# Altium PCB PCB1_lsit.PcbDoc (part 1 of 2) (continued)
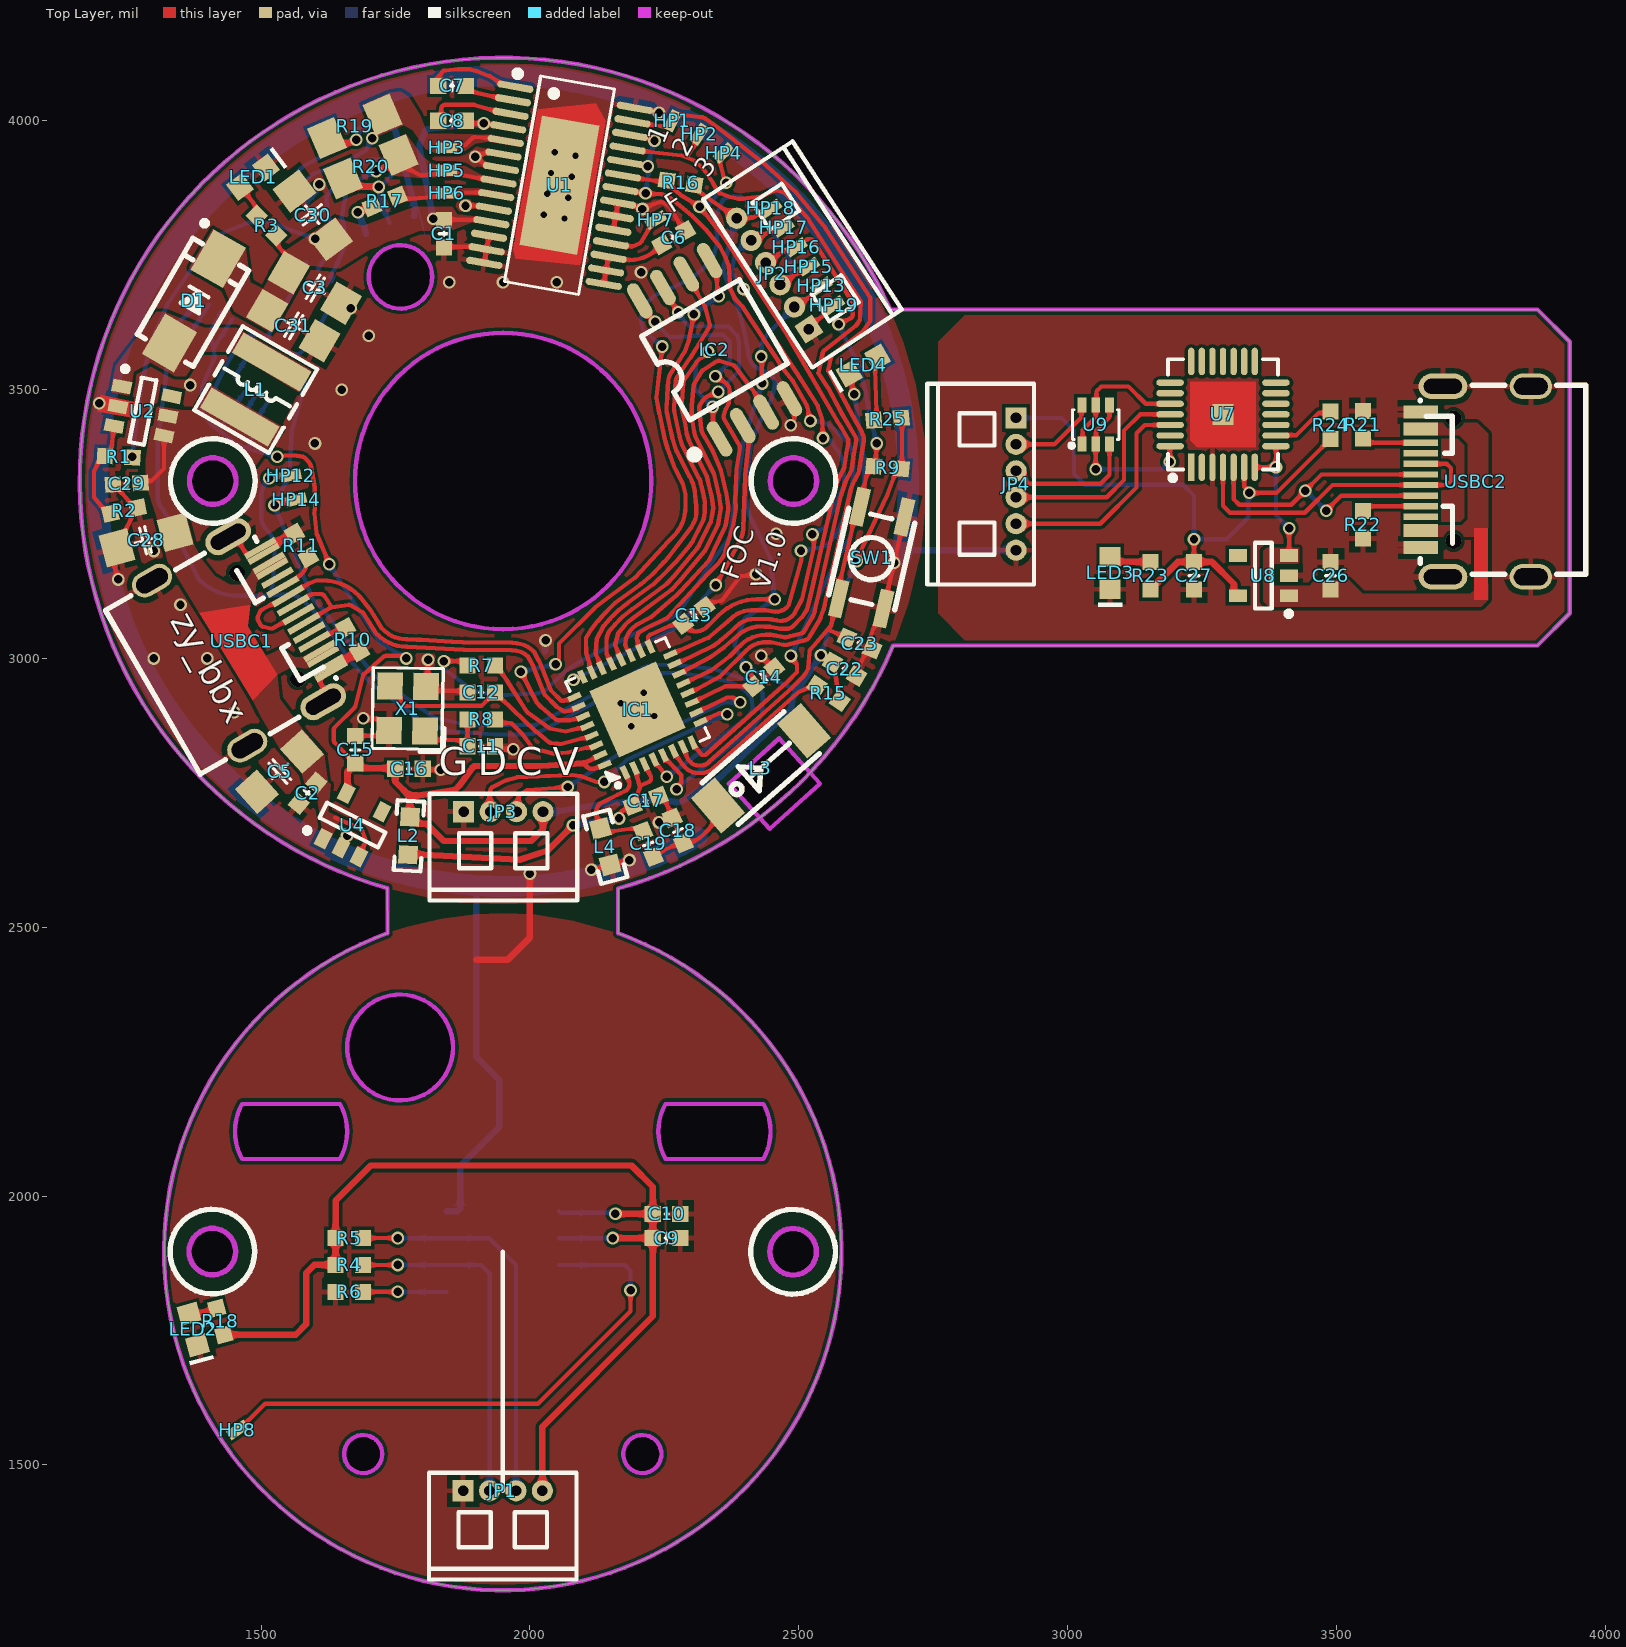
[diagram p0: Top Layer view]
## Footprints (in the part's own frame and the unit in brackets; to place one, negate y for a bottom-side part, rotate by r counter-clockwise, add the part's x,y. Pads: shape width x height; smd on the part's side, far side on the other; paste and mask are expansions set on the pad) (continued)
  silkscreen extent -2.03,-1.75 1.91,1.65, body extent -1.6,-1.25 1.6,1.25, height 0.7
"QFN28 5x5_M" [mm] "28脚，长x宽x高：5x5x0.8mm，脚距：0.5mm"
  rect 0.3x1.3 smd: 1(-1.5,-2.5)
  oval 0.3x1.3 smd: 2(-1,-2.5) 3(-0.5,-2.5) 4(0,-2.5) 5(0.5,-2.5) 6(1,-2.5) 7(1.5,-2.5) 15(1.5,2.5) 16(1,2.5) 17(0.5,2.5) 18(0,2.5) 19(-0.5,2.5) 20(-1,2.5) 21(-1.5,2.5)
  oval 1.3x0.3 smd: 8(2.5,-1.5) 9(2.5,-1) 10(2.5,-0.5) 11(2.5,0) 12(2.5,0.5) 13(2.5,1) 14(2.5,1.5) 22(-2.5,1.5) 23(-2.5,1) 24(-2.5,0.5) 25(-2.5,0) 26(-2.5,-0.5) 27(-2.5,-1) 28(-2.5,-1.5)
  rect 1x1 smd: 29(0,0)
  Top Layer region: -1.55,1.55 1.55,1.55 1.55,-1.55 -1.225,-1.55 -1.55,-1.225
  silkscreen extent -2.6,-3.12 2.6,2.6, body extent -2.51,-2.51 2.51,2.51
"R 0603_L" [mil] "1/10W贴片电阻                 淘宝ID:黄晶宝石"
  rect 30x30 smd: 1(-25.59,0) 2(25.59,0)
  body extent -31,-16 32,16, height 16
"R 1206_L" [mil] "1/4W贴片电阻             淘宝ID:黄晶宝石"
  rect 55x62 smd: 1(-55.12,0) 2(57.09,0)
  body extent -63,-31 63,32, height 22
SMA [mm] "4.5x2.6*2.2mm（长宽高，不包括引脚）"
  rect 2.2x1.75 smd: 1(-2.3,0) 2(2.3,0)
  silkscreen extent -2.7,-1.52 3.56,1.52, body extent -2.53,-1.3 2.58,1.3, height 2.15
SOIC-8 [mm] "封装库来自淘宝卖家 ID：黄晶宝石"
  oval 2.2x0.6 smd: 1(-2.654,1.905) 2(-2.654,0.635) 3(-2.654,-0.635) 4(-2.654,-1.905) 5(2.654,-1.905) 6(2.654,-0.635) 7(2.654,0.635) 8(2.654,1.905)
  silkscreen extent -2.06,-2.5 1.27,3.2, body extent -3,-2.5 3,2.5, height 1.9
SOIC-8W [mil] "25Q128 SPI_FLASH  SOIC8，封装库来自淘宝卖家 ID：黄晶宝石"
  oval 72x24 smd: 1(-148.35,75) 2(-148.35,25) 3(-148.35,-25) 4(-148.35,-75) 5(148.35,-75) 6(148.35,-25) 7(148.35,25) 8(148.35,75)
  silkscreen extent -155,-105 90,135, body extent -155,-104 155,104, height 75
SOT23-5L [mm] "SOT23, 5-Leads, Body 2.9x1.6mm, Pitch 0.95mm, IPC High Density封装库来自淘宝卖家 ID：黄晶宝石"
  rect 0.85x0.6 smd: 1(-1.2,0.95) 2(-1.2,0) 3(-1.2,-0.95) 4(1.2,-0.95) 5(1.2,0.95)
  silkscreen extent -1.32,-1.55 0.4,1.92, body extent -1.4,-1.5 1.4,1.5, height 1.15
SOT23-6L [mm] "SOT-23, 6-Leads, Body 2.90x1.60mm, Pitch 0.95mm, IPC High Density封装库来自淘宝卖家 ID：黄晶宝石"
  rect 0.9x0.6 smd: 1(-1.2,0.95) 2(-1.2,0) 3(-1.2,-0.95) 4(1.2,-0.95) 5(1.2,0) 6(1.2,0.95)
  silkscreen extent -1.32,-1.55 0.35,1.92, body extent -1.4,-1.5 1.4,1.5, height 1.15
SOT-363 [mm]
  rect 0.7x0.42 smd: 1(-0.895,0.695) 2(-0.895,0.045) 3(-0.895,-0.605) 4(0.945,-0.605) 5(0.945,0.045) 6(0.945,0.695)
  silkscreen extent -1.07,-1.05 0.72,1.29, body extent -0.68,-1.05 0.72,1.15, height 0.5
TSSOP8_N [mm] "SSOP-8_L3.0-W4.4-H1.0-LS6.4-P0.65  封装库来自淘宝卖家 ID：黄晶宝石"
  rect 1.4x0.35 smd: 1(-3.2,0.975)
  oval 1.4x0.35 smd: 2(-3.2,0.325) 3(-3.2,-0.325) 4(-3.2,-0.975) 5(3.2,-0.975) 6(3.2,-0.325) 7(3.2,0.325) 8(3.2,0.975)
  silkscreen extent -3.43,-1.27 1.78,2.03, body extent -3.18,-1.57 3.1,1.43, height 1.09
"TSW SMD 3.2*4.2*2.5" [mm]
  rect 1.8x0.65 smd: 1(-2.159,1.083) 2(2.286,1.083) 3(-2.159,-1.083) 4(2.286,-1.083)
  silkscreen extent -2.09,-1.62 2.11,1.58, body extent -2.46,-1.6 2.54,1.6, height 2.5
USB-C-SMD_TYPE-C-USB-5 [mm]
  oval 1.2x2.3 hole 0.7 slot 1.8 at 90 deg: 0(-4.5,1.675) 0(4.5,1.675)
  oval 1.2x2 hole 0.8 slot 1.6 at 90 deg: 0(-4.5,-2.475) 0(4.5,-2.475)
  rect 0.3x1.65 smd: A1(-3.263,2.725) A4(-2.462,2.725) A5(-1.162,2.725) A6(-0.162,2.725) A7(0.337,2.725) A8(-1.663,2.725) A9(2.638,2.725) A12(3.438,2.725) B1(3.138,2.725) B4(2.337,2.725) B5(1.838,2.725) B6(0.838,2.725) B7(-0.663,2.725) B8(1.337,2.725) B9(-2.162,2.725) B12(-2.963,2.725)
  round 0.75 hole 0.75 unplated: ""(-2.803,1.175) ""(2.978,1.175)
  silkscreen extent -4.38,-5.08 4.56,2.75, body extent -4.34,-5.14 4.6,2.76, height 3.25

## Part data
C1 C2 C3 C5 C6 C7 C8 C9 C10 C11 C12 C13 C14 C15 C16 C17 C18 C19 C22 C23 C24 C25 C26 C27 C28 C29 C30 C31: library part C, "贴片电容", BOM名称=无极性贴片电容, 封装库来自淘宝卖家ID：黄晶宝石=其他店铺购入均为盗版假冒封装库, 联系卖家，免费查找封装=唯一出售店铺网址https://shop463601444.taobao.com
D1: "肖特基二极管", BOM名称=肖特基二极管, 属性=40V/1A, 联系卖家，免费查找封装=唯一出售店铺网址https://shop463601444.taobao.com
HP1 HP2 HP3 HP4 HP5 HP6 HP7 HP8 HP12 HP13 HP14 HP15 HP16 HP17 HP18 HP19: "引脚测试点"
HP9 HP10 HP11: library part HP, "引脚测试点"
IC1: "ESP32-C3 QFN-32(5x5)"
JP1 JP3: library part "Header 4", "4P接插件", BOM名称=4P接插件, 联系卖家，免费技术支持=唯一出售店铺网址https://shop463601444.taobao.com
JP2 JP4: library part "Header 6", "6P接插件", BOM名称=6P接插件, 联系卖家，免费技术支持=唯一出售店铺网址https://shop463601444.taobao.com
L1: library part L-NR, "NR磁胶电感", BOM名称=NR磁胶电感, 封装库来自淘宝卖家ID：黄晶宝石=其他店铺购入均为盗版假冒封装库, 联系卖家，免费查找封装=唯一出售店铺网址https://shop463601444.taobao.com
L2 L4: library part L, "小功率贴片电感", BOM名称=小功率贴片电感, 封装库来自淘宝卖家ID：黄晶宝石=其他店铺购入均为盗版假冒封装库, 联系卖家，免费查找封装=唯一出售店铺网址https://shop463601444.taobao.com
L3: "AN2051-245 2.4G蓝牙wifi 贴片 2051"
LED1 LED2 LED3 LED4: "贴片LED", BOM名称=贴片LED, 封装库来自淘宝卖家 ID：黄晶宝石=其他店铺购入均为假冒，请立即申请退款，本店奖励2~5元现金
R1 R2 R3 R4 R5 R6 R7 R8 R9 R10 R11 R15 R16 R17 R18 R19 R20 R21 R22 R23 R24 R25: library part R, "贴片电阻", BOM名称=贴片电阻, 封装库来自淘宝卖家ID：黄晶宝石=其他店铺购入均为盗版假冒封装库, 联系卖家，免费查找封装=唯一出售店铺网址https://shop463601444.taobao.com
SW1: library part "TSW SMD-3.2x4.2", "贴片4.2*3.2轻触开关"
U1: "DRV8313 无刷直流BLDC 8V~60V三路半H桥驱动器IC"
U2: "DCDC 升压1.2MHZ 2A / 97%"
U3: "AS5600 12bit磁角度位置传感器"
U4 U8: "Vout:3.3V;Vin:1.45~5.5V,500ma;低压降"
U5 U6: "具有增强的 PWM 抑制能力的 -4V 至 80V、双向、超精密电流感应放大器"
U7: "USB转TTL"
U9: "2NPN预偏式(双)"
USBC1 USBC2: library part "USB2.0 Type-C 16Pin母座", "USB2.0 Type-C 母座 16Pin", 联系卖家，免费技术支持=唯一出售店铺网址https://shop463601444.taobao.com
X1: library part XTAL-4P, "4脚无源晶振", BOM名称=4脚无源晶振, 联系卖家，免费查找封装=唯一出售店铺网址https://shop463601444.taobao.com

## Via types
v1: diameter 23.62, hole 15.75, Top Layer to Bottom Layer, tented both sides, 106 vias
v2: diameter 23.62, hole 11.81, Top Layer to Bottom Layer, 8 vias
v3: diameter 24, hole 12, Top Layer to Bottom Layer, tented both sides, 3 vias
v4: diameter 24, hole 12, Top Layer to Bottom Layer, tented bottom, 1 vias

## Nets (pads, with @x,y where several pads share a name; then routed paths per layer and width w, separated by ;. In a path a pad name is that pad's centre, name@x,y a point inside that pad or via, vN(x,y) a via of type N, cw(c..) or ccw(c..) an arc to the next point about the centre after c; other vN are vias at no path point)
3.3: C9.2 C10.2 C13.2 C14.2 C15.2 C16.2 C22.2 C24.2 C25.1 C27.1 HP18.1 IC1.11 IC1.17 IC1.31 IC1.32 JP1.4 JP2.6 JP3.4 JP4.1 L2.1 R4.1 R5.1 R9.2 R15.1 R16.2 R18.2 R23.2 R24.1 R25.1 U3.1 U3.2 U4.5 U5.5 U5.6 U6.5 U6.6 U7.6 U8.5 | length 8509.4
  Top Layer w8: v1(1530,3375) 1544.02,3377.34 1562.46,3377.34 cw(c1562.46,3337.03) 1570.3,3376.57 cw(c1570.3,3358.13) 1582.35,3372.09 cw(c1570.3,3358.13) 1583.34,3371.17 1585.96,3368.55 cw(c1564.19,3346.78) 1592.27,3359.39 1599.66,3318.19 1600.61,3287.53 1599.07,3270.76 ccw(c1607.04,3270.06) 1599.08,3269.25 ; 1599.09,3269.2 1602.88,3234.11 ccw(c1610.83,3234.99) 1603.42,3231.98 ; 1603.43,3231.95 v1(1626.86,3175.1) ; 1637.27,2842.68 cw(c1643,2848.27) 1635,2848.27 1635,2866.69 cw(c1643,2866.69) 1637.33,2872.33 1673.43,2908.43 ccw(c1667.78,2914.09) 1675.54,2912.15 1689.39,2967.57 ; 1637.29,2842.67 1664,2815.41 C15.2@1675,2804.41 ; 1689.4,2967.59 cw(c1697.15,2965.61) 1691.88,2971.63 1727.74,3003.02 cw(c1733.01,2997) 1733.01,3005 1758.11,3005 cw(c1758.11,2997) 1761.68,3004.16 v1(1770,3000) ; IC1.31@2130.91,2820.37 2123.31,2815.81 2099.55,2805.3 2107.68,2797.29 ccw(c2113.28,2803) 2113.28,2795 2118.3,2795 ccw(c2118.3,2803) 2121.55,2795.69 2130.5,2799.67 IC1.32@2138.92,2802.39 ; IC1.17@2223.27,3022.13 2221.07,3030.78 2219.68,3036.25 2219.68,3040.56 2223.07,3043.95 2271.53,3065.66 2274.54,3065.66 2275.77,3065.25 C13.2@2282.28,3063.08 ; C13.2@2284.84,3064.25 2293.49,3055.6 ccw(c2307,3069.11) 2307,3050 ccw(c2307,3082.97) 2330.32,3059.66 2351.37,3080.71 cw(c2422.08,3010) 2422.08,3110 v1(2455,3110) ; IC1.11@2301.12,2917.7 2302.84,2918.85 2303.29,2919.15 2362.95,2948.22 C14.2@2415.69,2948.22 2415.69,2965.2 v1@2404.76,2976.13 ; R16.2@2305.27,3880.99 2314.42,3868.41 JP2.6@2384.59,3818.82 2412.81,3819.91 ccw(c2412.49,3827.91) 2416.85,3821.2 2432.99,3831.68 HP18.1@2448.16,3837.13 ; v1(2541.26,3006.22) 2553.73,2999.02 C22.2@2562.84,2992.8 2566.87,2977.77 2567.7,2972.31 2573.25,2935.96 R15.1@2576.22,2920.69 R15.1@2573.15,2909.49 ; v1(2607.74,3181.22) 2610.73,3188.42 2619.17,3208.75 2664.83,3304.64 ccw(c2657.61,3308.08) 2665.13,3305.37 2678.57,3342.77 R9.2@2690.49,3352.77 2692.05,3354.32 2692.05,3445.68 R25.1@2690.5,3447.23 ; C27.1@3235,3179.59 v1(3235,3222) ; U7.6@3328.37,3355.57 3328.37,3319.9 3338,3310.27 v1(3338,3308) 3388.6,3308 R24.1@3489,3408.41
  Top Layer w12: R18.2@1430.62,1742.28 1508.69,1742.28 1564.28,1742.28 1584,1762 1584,1817.59 1584,1857 1599,1872 R4.1@1638.41,1872 R5.1@1638.41,1922 1638.41,1991.41 1704,2057 2189,2057 2228.41,2017.59 C10.2@2228.41,1967 ; U4.5@1658.12,2749.07 1660.36,2751.31 1660.36,2789.77 C15.2@1675,2804.41 1683.6,2795.81 C16.2@1748.61,2795.81 ; C16.2@1749.41,2795 1749.41,2770.59 1776.83,2743.17 ; JP1.4@2023.19,1452 2023.19,1571.19 2228.41,1776.41 C9.2@2228.41,1922 ; JP3.4@2024.21,2715 2024.21,2682.39 2002.3,2660.48 1839.52,2660.48 1807.61,2692.39 1789.39,2692.39 L2.1@1776.83,2704.95 1776.83,2743.17 ; 2099.55,2805.3 2020.27,2800.02 cw(c2019.73,2808) 2019.73,2800 1899.12,2800 ccw(c1899.12,2792) 1892.59,2796.62 1870.38,2765.54 cw(c1863.88,2770.2) 1869.54,2764.54 1861.89,2756.89 cw(c1856.23,2762.54) 1857.34,2754.62 1776.83,2743.17 ; v1(2154,1922) C9.2@2228.41,1922 ; v1(2159,1967) C10.2@2228.41,1967 ; R23.2@3154,3128.41 3205.18,3179.59 C27.1@3235,3179.59 3268.41,3179.59 3309.08,3138.92 3309.08,3122.41 3314.89,3116.6 U8.5@3316.76,3116.6 ; C9.2@2228.41,1922 C10.2@2228.41,1967
  Bottom Layer w8: 1407.65,3434.43 cw(c1412.55,3440.76) 1406.28,3435.79 1393.83,3451.6 1390.31,3463.9 cw(c1398,3466.12) 1390,3466.12 1390,3503.33 cw(c1398,3503.33) 1390.67,3506.53 1414.18,3560.42 C24.2@1411.22,3575.69 1408.25,3590.96 1406.67,3599.09 cw(c1454.64,3599.09) 1420.71,3633 U5.6@1424.09,3636.38 ; 1407.68,3434.42 1452.52,3399.99 1474.44,3390.25 ; C24.2@1415,3580 1419.59,3590.17 1435.52,3613.79 1442.46,3624.9 U5.5@1446.48,3631.32 ; U5.6@1420.76,3638.46 U5.6@1424.78,3644.88 ; U6.6@1494.16,3496.09 1476.24,3467.42 1477.5,3458.67 ccw(c1485.42,3459.81) 1480.98,3453.15 1489.93,3447.15 1493.09,3447.88 1493.77,3448.03 ; v1(1530,3375) 1475.62,3389.83 cw(c1477.69,3397.56) 1474.47,3390.23 ; v1(1626.86,3175.1) 1720.37,3030.24 v1(1770,3000) ; U3.2@2053.86,1921.75 2053.98,1921.88 2153.88,1921.88 v1(2154,1922) ; U3.1@2053.86,1971.75 2056.23,1969.38 2156.62,1969.38 v1(2159,1967) ; JP2.6@2384.59,3818.82 2367.87,3758.78 ccw(c2381.35,3755.03) 2367.85,3758.72 2360.66,3732.4 ccw(c2368.37,3730.29) 2360.42,3729.44 2360.98,3724.19 2361.93,3715.22 ccw(c2375.85,3716.7) 2362.88,3711.44 2388.81,3647.53 2401.55,3594.41 2405.37,3571.24 ; 2399.04,3072.61 2381.38,3028.45 ccw(c2388.8,3025.46) 2381.7,3021.77 v1(2401.77,2983.67) 2486.82,2945.36 2496.82,2939.82 ; 2399.05,3072.64 cw(c2406.47,3069.63) 2402.18,3076.39 v1(2455,3110) 2446.93,3187.06 2407.43,3268.12 ; 2406.67,3563.35 2405.37,3571.24 ; 2407.42,3268.14 cw(c2414.62,3271.62) 2406.79,3269.98 2401.26,3295.99 2403.13,3335.1 2410.38,3398.75 cw(c2418.33,3397.84) 2411,3401.03 2429.91,3444.8 cw(c2437.26,3441.62) 2430.1,3445.19 2444.88,3474.77 ; 2444.89,3474.78 ccw(c2437.73,3478.34) 2445.1,3475.24 2451.92,3491.43 2455.97,3513.31 2453.21,3519.01 2450.86,3522.9 ccw(c2432.2,3511.59) 2441.54,3531.31 2440.15,3531.96 2431.29,3536.16 2422.38,3540.61 2418.26,3543.37 cw(c2430.38,3561.5) 2410.25,3553.1 2406.07,3563.1 2405.66,3564.08 2405.37,3571.24 ; v1(2541.26,3006.22) 2569.88,3094.62 ; 2569.88,3094.64 cw(c2577.49,3092.16) 2570.17,3095.39 v1(2607.74,3181.22) ; JP4.1@2904,3447.43 2988.57,3447.43 3012,3424 3012,3343 3032,3323 3215,3323 3235,3303 v1(3235,3222) 3296,3222 3335.66,3261.66 3335.66,3305.66 v1(3338,3308) ; 1474.47,3390.23 1474.64,3390.49 1482.23,3401.73 C25.1@1481.22,3415.69 1481,3429.1 1493.77,3448.03 ; 1493.77,3448.03 1497.68,3453.83 U6.5@1504.84,3465.29 ; U6.5@1504.84,3465.29 U6.5@1515.79,3482.82 U6.5@1504.84,3465.29
  Bottom Layer w12: JP3.4@2024.21,2715 2024.43,2714.84 2027.58,2712.56 2031.47,2712.56 2032.42,2712.56 2144.9,2730.61 2219.81,2736.38 2234.69,2735.03 ; 2234.72,2735.03 2235.03,2735 2241.29,2734.61 2261.22,2734.61 cw(c2261.17,2722.61) 2265,2733.98 ccw(c2272.7,2756.52) 2271.22,2732.75 ccw(c2272.7,2756.52) 2272.7,2732.71 ccw(c2272.7,2756.52) 2288,2738.27 cw(c2295.68,2729.05) 2289.45,2739.3 2313.47,2753.97 ; 2313.5,2753.99 2353.95,2779.34 2355.89,2780.86 2482.23,2902.33 2485.71,2908.78 2489.21,2927.58 2500.69,2945.6 v1(2541.26,3006.22)
+5: C2.2 C5.1 C26.2 C28.2 C29.2 L1.2 U2.4 U2.5 U4.1 U4.3 U7.7 U7.8 U8.1 U8.3 USBC1.A4 USBC1.A9 USBC1.B4 USBC1.B9 USBC2.A4 USBC2.A9 USBC2.B4 USBC2.B9 | length 477.7
  Top Layer w8: C29.2@1275.55,3326.34 1279.22,3330 1296,3330 1319.24,3353.24 U2.4@1319.24,3414.27 ; 1637.9,2704.4 1684.52,2682.48 cw(c1681.11,2675.24) 1688.64,2677.95 ; U4.3@1681.88,2630.93 1686.31,2642.95 1693.44,2656.94 ccw(c1686.31,2660.57) 1693.85,2663.24 1688.65,2677.92 ; U7.7@3348.06,3355.57 v1(3387.43,3355.57) U7.8@3387.43,3394.94 ; U8.3@3411.24,3191.4 3412,3192.16 v1(3412,3242)
  Bottom Layer w8: v1(3387.43,3355.57) 3387.43,3266.57 v1(3412,3242)
AS_SCL: JP1.3 R5.2 U3.7 | length 725.1
  Top Layer w8: R5.2@1689.59,1922 v1(1754,1922)
  Bottom Layer w8: v1(1754,1922) 1754.12,1921.88 1844.76,1921.88 U3.7@1844.88,1921.75 1924.25,1921.75 1973.97,1872.03 JP1.3@1973.97,1452
AS_SDA: JP1.2 R4.2 U3.6 | length 645.4
  Top Layer w8: R4.2@1689.59,1872 v1(1754,1872)
  Bottom Layer w8: v1(1754,1872) U3.6@1844.63,1872 ; U3.6@1844.88,1871.75 1909.25,1871.75 1925.16,1855.84 JP1.2@1925.16,1452.39
CP_IO: JP4.3 U9.3 | length 247.7
  Top Layer w8: JP4.3@2904,3349 2928,3325 3061,3325 3077.81,3341.81 U9.3@3077.81,3398.77
CP_RESET: JP4.2 U9.6 | length 165.5
  Top Layer w8: JP4.2@2904,3398.21 2975.21,3398.21 3025.42,3448.42 3025.42,3469.99 U9.6@3026.63,3471.2
CP_RX: JP4.4 U7.25 | length 404.3
  Top Layer w8: JP4.4@2904,3299.79 3072.79,3299.79 3105,3332 3105,3424 3135,3454 U7.25@3190.57,3454
CP_TX: JP4.5 U7.26 | length 421.8
  Top Layer w8: JP4.5@2904,3250.57 3060.57,3250.57 3128,3318 3128,3419 3143.31,3434.31 U7.26@3190.57,3434.31
DTR: U7.28 U9.2 U9.4 | length 302.9
  Top Layer w8: v1(3052,3352) 3052.11,3352.11 3052.11,3398.65 3052.86,3399.4 3052.86,3423.86 3077.81,3448.81 U9.4@3077.81,3471.2 ; v1(3190,3366) 3190,3394.37 U7.28@3190.57,3394.94
  Bottom Layer w8: v1(3052,3352) 3176,3352 v1(3190,3366)
EN: IC1.16 U1.22 U1.24 U1.26 | length 1481.5
  Top Layer w8: U1.22@2168.33,3873 2195.24,3868.26 v1(2215,3865) 2245.18,3863.13 cw(c2243.82,3841.17) 2256.02,3859.48 2266.21,3852.69 cw(c2254.01,3834.38) 2268.06,3851.3 2301.2,3823.77 cw(c2294.81,3816.08) 2301.92,3823.12 2327.38,3797.43 ; U1.24@2177.22,3923.42 2204.13,3918.67 v1(2219.06,3915.15) ; U1.26@2186.1,3973.82 2213.02,3969.07 2214.07,3968.02 2222.36,3968.02 2227.36,3963.01 v1(2231.59,3963.01) ; IC1.16@2261.08,3007.62 2269.31,3010.75 2332.3,3038.8 2335.72,3041.7 2373.64,3073.85 cw(c2411.52,3035.98) 2411.52,3089.54 2437.3,3089.54 2437.84,3089.46 cw(c2436.72,3081.54) 2437.92,3089.45 2456.76,3086.71 ccw(c2456.76,3116.81) 2467.02,3088.51 ccw(c2456.76,3116.81) 2473.24,3091.62 ccw(c2456.76,3116.81) 2478.04,3095.52 2480.95,3098.44 2504.71,3183.95 ; 2327.41,3797.4 cw(c2321.7,3791.8) 2327.88,3796.88 2352.97,3766.38 2364,3745.46 2369.53,3731.22 2369.62,3730.04 2372.95,3686.28 2373.54,3684.98 2380.02,3670.82 2380.93,3669.86 2394.51,3655.51 cw(c2388.7,3650.01) 2395.37,3654.44 ; 2395.39,3654.41 2474.28,3534.43 2487.67,3517.57 cw(c2470.44,3503.89) 2489.49,3514.89 2513.49,3473.32 cw(c2494.44,3462.32) 2515.92,3467.1 v1(2521.57,3441.7) ; v1(2504.08,3200.21) 2504.98,3186.62 cw(c2497,3186.09) 2504.72,3183.98
  Bottom Layer w8: v1(2215,3865) 2222.45,3914.64 v1@2219.66,3917.43 ; v1(2219.06,3915.15) v1@2219.66,3917.43 ; v1(2231.59,3963.01) 2230.09,3957.28 v1@2219.66,3917.43 ; v1(2504.08,3200.21) 2529.96,3204.74 ccw(c2529.96,3242.63) 2542.84,3206.99 ccw(c2529.96,3242.63) 2556.76,3215.84 2567.57,3226.65 2584.68,3264.29 ccw(c2577.39,3267.6) 2585.17,3265.73 2597.62,3317.56 ccw(c2576.22,3322.7) 2597.81,3318.45 2601.22,3335.78 2601.22,3371.25 ccw(c2550.93,3371.25) 2586.49,3406.81 2569.61,3423.69 ccw(c2526.14,3380.21) 2537.87,3440.57 ccw(c2526.14,3380.21) 2526.14,3441.7 v1(2521.57,3441.7)
FAULT: HP7.1 U1.18 | length 125.7
  Top Layer w8: U1.18@2150.55,3772.2 2177.47,3767.45 2190.51,3766.36 2203.94,3771.74 2207.66,3775.46 2223.19,3802.58 HP7.1@2225.45,3805.31 ; HP7.1@2233.85,3815.48 HP7.1@2225.45,3805.31 ; HP7.1@2234.45,3820.41 2232.12,3816.52 HP7.1@2225.45,3805.31
GND: C1.1 C2.1 C3.1 C5.2 C6.1 C9.1 C10.1 C11.1 C12.2 C13.1 C14.1 C15.1 C16.1 C17.1 C18.1 C22.1 C23.2 C24.1 C25.2 C26.1 C27.2 C28.1 C29.1 C30.1 C31.1 HP19.1 IC1.33 IC2.4 JP1.1 JP2.1 JP3.1 JP4.6 L4.1 LED1.2 LED2.2 LED3.2 R2.1 R6.2 R10.1 R11.2 R21.1 R22.2 SW1.3 SW1.4 U1.6 U1.7 U1.10 U1.12 U1.13 U1.14 U1.19 U1.20 U1.21 U1.28 U1.29 U2.2 U3.4 U3.8 U4.2 U5.1 U5.4 U5.7 U6.1 U6.4 U6.7 U7.3 U7.29 U8.2 USBC1.0 USBC1.A1 USBC1.A12 USBC1.B1 USBC1.B12 USBC2.0 USBC2.A1 USBC2.A12 USBC2.B1 USBC2.B12 X1.2 X1.4 | length 8327.1
  Top Layer w8: C29.1@1224.44,3323.66 1236,3313.25 1256.99,3288.8 R2.1@1270.03,3280.33 1261.56,3267.28 1247.47,3237.9 C28.1@1231.76,3205.73 1226.15,3176.28 v1(1234,3147) ; USBC1.0@1438.53,3226.4 1449.66,3232.83 1473.07,3192.29 USBC1.A1@1498.69,3204.88 1499.4,3205.23 1524.3,3217.47 1549.57,3232.05 R11.2@1562.21,3232.16 1553.57,3225.13 1528.3,3210.54 1505.25,3195.09 USBC1.B12@1504.59,3194.65 ; USBC1.0@1615.69,2919.54 1626.83,2925.97 1606.87,2960.55 USBC1.A12@1630.58,2976.44 1631.23,2976.88 1654.29,2992.33 1675.03,3004.3 R10.1@1682.8,3012.84 1671.03,3011.23 1650.29,2999.26 1625.38,2987.01 USBC1.B1@1624.67,2986.67 ; U4.2@1648.55,2647.91 1654.33,2659.25 v1(1659.81,2670) ; C15.1@1675,2855.59 1686,2856.31 1718.28,2856.31 X1.4@1738.08,2866.17 1738.08,2868.07 1718.02,2888.14 1690.86,2888.14 v1(1690,2889) ; C16.1@1800.59,2795 1811.59,2793 v1(1834,2793) ; v1(1810.51,2997.79) 1810.01,2969.2 X1.2@1806.44,2947.66 1825.93,2939.98 1872.75,2939.98 C12.2@1883.75,2936.8 ; C1.1@1840,3764.41 1851,3765.73 1892.53,3765.73 U1.13@1919.44,3760.98 ; v1(1880.1,3842.28) 1880.58,3841.8 1905.38,3841.8 1905.86,3841.33 U1.10@1932.77,3836.58 ; U1.14@1915,3735.78 U1.13@1919.44,3760.98 ; U1.12@1923.89,3786.18 U1.13@1919.44,3760.98 ; C11.1@1934.93,2836.8 1945.93,2831 v1(1969,2831) ; U1.7@1946.1,3912.19 1919.19,3916.93 v1(1898.16,3933.3) 1923.63,3942.15 U1.6@1950.55,3937.4 ; v1(2114.26,2606.81) 2116.14,2607.31 2136.03,2612.64 L4.1@2149.06,2616.19 2162.31,2618.92 v1(2185,2625) ; U1.19@2155,3797.4 U1.20@2159.44,3822.6 U1.21@2163.88,3847.8 2190.8,3843.06 v1(2209.19,3835.95) 2229.68,3844.86 cw(c2232.87,3837.52) 2230.31,3845.1 ; U1.28@2194.99,4024.22 2221.91,4019.48 v1(2240,4015) ; 2230.34,3845.11 2241.27,3848.76 cw(c2243.82,3841.17) 2248.25,3847.83 2258.44,3841.04 cw(c2254.01,3834.38) 2260.92,3838.41 ; C17.1@2238.89,2744.18 2250.8,2736.96 2261.09,2713.86 C18.1@2264.59,2703.38 2253.58,2701.05 v1(2240,2695) ; 2260.93,3838.38 2281.06,3803.52 C6.1@2289.32,3795.59 ; C13.1@2327.99,3103.18 2353.3,3106.74 2355.95,3107.11 2357.85,3109 2358.24,3109.4 2358.58,3109.84 2389.18,3150.45 2391.47,3152.74 2394.12,3153.11 v1(2420.43,3156.81) ; v1(2430,3005) 2444.74,2988.05 C14.1@2454.31,2981.79 ; IC2.4@2482.44,3483.1 2494.44,3462.32 2491.38,3459.26 2491.38,3444.24 2485,3437.86 v1(2485,3433.63) ; JP2.1@2518.61,3612.45 2528.52,3625.99 2555.29,3643.37 HP19.1@2565.26,3656.81 ; C22.1@2607.17,2967.21 2609.54,2978.54 2623.94,3010.87 C23.2@2636.33,3017.4 2630.76,3031.92 2641.79,3063.94 SW1.3@2657.43,3092.59 2664.5,3123.21 2676.43,3174.9 2676.91,3176.96 v1(2677.11,3177.84) 2689.72,3232.47 SW1.4@2696.79,3263.1
  Top Layer w12: C3.1@1648.48,3661.06 1656.35,3661.06 v1(1666.23,3651.18) ; 1900,2440 1959,2440 2000,2481 v1(2000,2600) ; v1(2206.65,3718.35) 2207,3718 2208,3718 v1@2211,3720
  Bottom Layer w8: C24.1@1368.78,3604.31 1374.01,3614.06 1392.12,3640.91 U5.7@1403.07,3658.44 ; 1422.92,3468.03 cw(c1427.42,3474.65) 1419.5,3473.47 1415.35,3502.53 cw(c1423.27,3503.66) 1416.13,3507.26 1439.79,3554.57 cw(c1446.94,3550.99) 1440.26,3555.4 1465.59,3593.79 1478.11,3600.53 1500.41,3599.77 1510.18,3592.27 ; 1422.94,3468.01 1435.7,3459.41 C25.2@1438.05,3447.92 ; C25.2@1430.36,3436.51 1436.61,3445.78 C25.2@1438.05,3447.92 ; C25.2@1438.78,3444.31 C25.2@1438.05,3447.92 ; U6.7@1468.34,3495.41 1457.39,3477.88 1446.44,3460.35 C25.2@1438.05,3447.92 ; 1547.82,3570.37 cw(c1549.73,3578.13) 1545.62,3571.27 1510.18,3592.27 ; 1547.85,3570.36 1565.65,3566.05 ccw(c1567.52,3573.83) 1573.17,3568.17 1594.09,3589.09 ccw(c1588.42,3594.74) 1595.58,3591.17 1628.69,3657.61 1631.89,3664.02 U6.4@1647.41,3688.86 ; U5.4@1579.31,3836.5 1590.27,3854.03 1604.95,3868.71 1604.95,3878.62 v1(1607.93,3881.61) ; U6.1@1584.21,3737.18 1559.17,3683.61 1520.18,3615.31 ccw(c1527.13,3611.35) 1519.78,3614.52 1510.18,3592.27
  Bottom Layer w12: U3.8@1844.88,1971.75 1865.01,1971.75 1870.38,1977.12 1870.38,2056.14 1943,2128.76 1943,2216 1900,2259 1900,2577.72 ; 2028,3013 v1(2028.98,3033.57) ; v1(2677.11,3177.84) 2691.18,3191.92 2700.63,3201.36 JP4.6@2904,3201.36
  Bottom Layer w39.37: 2310.05,2667.59 cw(c1950,3330) 1900,2577.72 cw(c1950,3330) 1293.86,3701.34 cw(c1950,3330) 2680.59,3516.19 cw(c1950,3330) 2691.18,3191.92
  other v1: 1450,2900 1300,3000 1400,3000 1350,3100 1300,3200 2458,3232 1600,3400 1198.82,3474.72 1650,3500 1368.4,3508.51 1700,3600 1850,3700 1950,3700 2050,3700
  other v2: 2064.12,3818.42 2025.35,3825.26 2070.96,3857.19 2032.19,3864.03 2077.8,3895.96 2039.03,3902.8 2084.64,3934.74 2045.86,3941.57
  other v3: 2188.03,2873.82 2168.82,2916.97 2211.97,2936.19
  other v4: 2231.19,2893.03
I2C_SCL: IC1.10 JP3.3 | length 577.7
  Top Layer w8: JP3.3@1975,2715 1974.63,2715.51 1974.63,2717.39 1974.63,2718.06 1978.98,2744.13 1981.1,2746.26 1994.93,2755.51 2045.99,2759.21 2048.81,2759.42 v1(2070,2760.96) ; IC1.10@2309.47,2899.6 2317.14,2903.33 2366.98,2927.58 2377.67,2927.58 2386.92,2918.33 v1(2391.14,2918.33)
  Bottom Layer w8: v1(2070,2760.96) 2074.62,2763.94 2127.41,2798.13 2132.88,2801.68 2162.26,2820.11 2251.16,2865.55 2357.22,2916.12 ; 2357.25,2916.13 cw(c2366.63,2896.45) 2366.53,2918.26 v1(2391.14,2918.33)
I2C_SDA: IC1.9 JP3.2 | length 578.9
  Top Layer w8: JP3.2@1925.79,2715 1924.83,2748.46 1926.96,2757.72 1928.58,2759.34 1929.5,2760.26 1930.66,2760.84 1956.2,2773.61 1975.92,2778.87 2078.95,2783.16 2094.51,2781 2101.42,2778.47 2123.79,2770.31 v1(2137.99,2770.31) ; IC1.9@2317.13,2881.73 2324.91,2885.89 2352.84,2898.33 2364.75,2898.33 v1(2366.63,2896.45)
  Bottom Layer w8: v1(2137.99,2770.31) 2179.47,2811.15 v1(2366.63,2896.45)
IN1: HP1.1 IC1.12 U1.27 | length 1563.6
  Top Layer w8: U1.27@2190.55,3999.02 2217.46,3994.27 2252.87,3988.46 HP1.1@2265,4000 2277.13,4011.54 2318.6,4006.81 cw(c2317.47,3996.87) 2320.71,4006.33 2324.24,4005.12 cw(c2321.65,3997.55) 2326.32,4004.04 ; IC1.12@2293.11,2935.68 2301.6,2938.24 2353.45,2966.19 2402.63,3015.37 ; 2326.34,4004.03 2339.84,3994.25 cw(c2333.98,3986.15) 2340.01,3994.12 2373.72,3968.6 cw(c2367.68,3960.62) 2373.81,3968.53 2429.8,3925.15 cw(c2424.9,3918.82) 2430.2,3924.82 ; 2402.66,3015.4 cw(c2438.36,2979.64) 2418.2,3025.98 cw(c2438.36,2979.64) 2429.89,3029.46 cw(c2438.36,2979.64) 2438.36,3030.17 2446.27,3030.17 2450.91,3029.54 ; 2430.23,3924.79 2493.34,3868.45 cw(c2478.68,3852.04) 2495.68,3866.01 2549.82,3800.17 cw(c2543.64,3795.09) 2550.37,3799.43 ; 2450.94,3029.54 2472.26,3025.28 ccw(c2475.01,3039.01) 2476.56,3025.09 ccw(c2475.01,3039.01) 2478.44,3025.44 2493.04,3029.16 2507.66,3032.89 2511.48,3033.86 ccw(c2507.98,3047.41) 2520.06,3040.33 2539.43,3073.25 ccw(c2527.37,3080.35) 2540.65,3075.94 2546.26,3091.52 2548.05,3099.3 2596.68,3313.83 2599.71,3322.85 cw(c2609.2,3319.69) 2600.35,3324.35 2605.6,3334.33 2610.23,3343.68 ccw(c2590.52,3353.44) 2611.03,3345.48 ccw(c2590.52,3353.44) 2612.28,3350.19 2615.93,3374.65 2615.98,3374.96 cw(c2625.87,3373.48) 2616.23,3376.16 2620.68,3403.54 ccw(c2598.97,3407.07) 2619.59,3414.74 2618.84,3416.75 2616.5,3423.04 2606.56,3440.16 2600.65,3450.35 2554.93,3534.81 2554.93,3537.75 2555.13,3538.63 2560.08,3560.21 2560.59,3562.45 2562.22,3564.08 2562.59,3564.45 2618.61,3607.54 2619.53,3608.47 2619.97,3609.13 2632.71,3628.23 2632.71,3670.76 2550.38,3799.4
IN2: HP2.1 IC1.13 U1.25 | length 1560.9
  Top Layer w8: U1.25@2181.66,3948.62 2208.58,3943.87 2239.95,3940.01 ccw(c2240.93,3947.95) 2240.06,3939.99 2282.1,3935.32 2291.63,3931.76 2305.48,3926.18 2319.28,3914.17 2330.4,3899.51 cw(c2322.43,3893.46) 2330.78,3898.97 2339.74,3885.4 2340.48,3884.03 2345.75,3874.39 ccw(c2364.89,3884.85) 2348.63,3870.31 2353,3865.43 2371.98,3858.42 2387.89,3855 2394.52,3855 ccw(c2394.52,3863) 2395.48,3855.06 2428.93,3859.1 ccw(c2429.23,3867.09) 2432.57,3859.82 2455.78,3870.38 2460.15,3870.45 2471.52,3866.56 2473.24,3865.97 2495.45,3844.18 2495.76,3843.87 2517.39,3817.57 2517.69,3817.21 2615.36,3664.57 2615.36,3662.04 2615.36,3661.85 2613.93,3632.26 2613.83,3630.05 2607.31,3620.28 2606.88,3619.62 2605.96,3618.71 2547.66,3573.36 ccw(c2552.53,3567.02) 2547.59,3573.31 2547.23,3573.03 2546.88,3572.68 2545.23,3571.03 2544.72,3568.75 2536.36,3530.89 2553.98,3503.93 2581.49,3453.1 2605.89,3411.09 cw(c2598.97,3407.07) 2606.85,3405.72 2602.43,3380.38 ccw(c2616.22,3377.97) 2602.36,3379.95 2598.44,3352.32 cw(c2590.52,3353.44) 2597.65,3349.83 ; IC1.13@2285.59,2953.99 2293.08,2957.36 2319.31,2969.17 2336.13,2977.34 2371.5,3004.24 2390.06,3022.96 ccw(c2386,3029.86) 2391.65,3024.2 2392.68,3025.22 cw(c2438.36,2979.64) 2438.36,3044.17 2446.27,3044.17 cw(c2446.27,3030.17) 2448.16,3044.05 2452.79,3043.42 cw(c2450.91,3029.54) 2453.72,3043.26 2473.24,3039.36 ccw(c2474.79,3047.21) 2476.74,3039.45 2481.28,3040.61 2483.25,3041.11 2491.49,3043.21 2504.19,3046.45 ; 2292.23,3933.38 2309.45,3959.9 2309.76,3960.74 HP2.1@2315,3975 ; 2504.23,3046.46 2504.78,3046.6 ccw(c2502.78,3054.34) 2509.66,3050.27 ; 2509.67,3050.29 2511.35,3053.13 2517.67,3063.88 2527.37,3080.35 2529.21,3085.91 ccw(c2521.62,3088.43) 2529.42,3086.67 2578.68,3303.99 cw(c2592.34,3300.89) 2579.06,3305.35 2582.58,3315.81 2586.45,3327.33 cw(c2609.2,3319.69) 2587.83,3330.62 2597.64,3349.8
IN3: HP4.1 IC1.14 R16.1 U1.23 | length 1419.8
  Top Layer w8: U1.23@2172.77,3898.22 2199.69,3893.47 2243.2,3886.58 R16.1@2254.72,3889 2263.86,3876.42 2281.28,3861.21 2281.54,3860.99 ccw(c2288.11,3868.53) 2282.94,3859.97 v1(2315.33,3840.39) 2360.33,3784.08 2360.91,3783.49 2476.16,3605.73 2476.26,3605.56 2571.53,3440.99 ; IC1.14@2277.31,2971.58 2284.94,2975.66 2336.28,3003.06 2336.7,3003.36 2359.92,3019.95 ccw(c2355.27,3026.46) 2360.44,3020.35 2385.12,3041.22 cw(c2429.15,2997.2) 2429.15,3059.46 2431.48,3059.46 2436.91,3059.25 2439.33,3059.16 2445.28,3058.94 cw(c2444.45,3036.95) 2448.76,3058.53 2465.6,3055.16 2477.59,3055.16 ccw(c2477.59,3071.43) 2489.08,3059.92 ; v1(2364.89,3884.85) 2359.64,3897.61 2352.51,3925.03 HP4.1@2360,3940 HP4.1@2369.87,3941.22 ; 2489.09,3059.93 2505.25,3076.08 2515.21,3091.09 2515.63,3092.67 2521.42,3114.68 2557.87,3275.48 2564.68,3305.56 2565.03,3307.08 cw(c2592.34,3300.89) 2565.79,3309.81 2566.84,3312.93 2573.19,3331.82 cw(c2609.2,3319.69) 2575.34,3336.94 2577.11,3340.41 2578.17,3342.47 2581.95,3349.87 ; 2571.53,3440.99 2578.77,3429.88 2578.89,3429.7 2591.89,3407.32 2591.89,3401.39 2591.77,3400.71 2588.64,3382.79 ccw(c2616.22,3377.97) 2588.5,3381.92 2585.05,3357.59 ; 2581.95,3349.88 ccw(c2574.86,3353.57) 2581.99,3349.95 2582.87,3351.67 ccw(c2575.75,3355.31) 2582.9,3351.73 2583.82,3353.56 2584.36,3354.63 ccw(c2576.99,3357.73) 2584.89,3356.49 2585.04,3357.54
  Bottom Layer w8: v1(2315.33,3840.39) 2327.7,3841.67 2330.52,3841.96 2332.53,3843.97 2332.82,3844.26 2333.08,3844.58 v1@2364.06,3882.71
INA_ADC_1: HP12.1 IC1.4 U5.8 | length 2267.3
  Top Layer w8: v1(1515,3335) 1539.08,3339.68 HP12.1@1555,3340 ; IC1.4@2230.68,2811.89 2233.16,2808.18 2235.64,2804.47 2246.11,2790.88 v1(2254.55,2779.92)
  Bottom Layer w8: U5.8@1380.69,3663.5 1369.73,3645.97 1352.65,3630.87 ccw(c1357.95,3624.87) 1351.36,3629.41 1337.15,3608.84 1330.05,3585.18 ccw(c1337.72,3582.88) 1329.95,3584.8 1326.18,3569.71 1321.53,3513.09 1317.41,3481.37 1307.5,3405.05 1307.5,3301.52 ccw(c1342.22,3301.52) 1308.67,3292.58 ccw(c1342.22,3301.52) 1317.67,3276.96 1326.83,3261.06 1342.89,3228.95 1358.09,3198.55 1383.18,3148.37 1385.19,3146.36 1385.79,3145.76 ccw(c1456.5,3216.47) 1456.5,3116.47 1511.95,3116.47 1520.02,3117.13 ; v1(1515,3335) ccw(c1551.21,3298.79) 1500,3298.79 1500,3264.15 ccw(c1534.3,3264.15) 1510.05,3239.89 cw(c1473.95,3203.8) 1525,3203.8 1525,3189.41 1525,3175.44 cw(c1517,3175.44) 1524.95,3174.56 1520,3130 1520.02,3117.13 ; 2033.88,2872.18 cw(c1989.43,2938.62) 1996.6,2859 cw(c1989.43,2938.62) 1989.43,2858.68 1933.91,2858.68 1847.99,2864.82 1795.65,2885.17 1702.34,2956.13 1668.49,2992.78 1607.41,3078.29 1601.03,3085.03 1577.66,3108.4 ccw(c1553.37,3084.11) 1558.38,3118.1 ccw(c1553.37,3084.11) 1553.37,3118.46 1536.29,3118.46 1520.02,3117.13 ; 2034,2872 2208.72,2964.61 cw(c2228.98,2944.35) 2225.47,2972.79 cw(c2228.98,2944.35) 2228.98,2973 2279.28,2973 2318.22,2967.51 ; v1(2254.55,2779.92) 2278.09,2797.23 2402.25,2888.5 2404.19,2890.54 2414.11,2905.58 2414.11,2908.59 ccw(c2367.23,2908.59) 2413.07,2918.42 cw(c2420.9,2920.05) 2412.98,2918.96 cw(c2420.9,2920.05) 2412.97,2919.06 cw(c2420.9,2920.05) 2412.94,2919.25 cw(c2420.9,2920.05) 2412.92,2919.55 ccw(c2391.14,2918.33) 2412.88,2920.14 ccw(c2391.14,2918.33) 2410.94,2927.49 ccw(c2391.14,2918.33) 2407.57,2932.68 cw(c2413.63,2937.9) 2406.9,2933.58 ccw(c2338.3,2864.98) 2395.65,2943.23 ccw(c2338.3,2864.98) 2373.35,2955.44 ccw(c2370.5,2947.97) 2373.04,2955.56 2365.76,2958.01 ccw(c2363.2,2950.43) 2364.75,2958.28 2319.51,2967.22 ccw(c2317.11,2959.59) 2318.26,2967.5
INA_ADC_2: HP14.1 IC1.5 U6.8 | length 1955.7
  Top Layer w8: v1(1525,3285) 1549.67,3291.61 HP14.1@1565,3295 ; IC1.5@2248.66,2819.9 2253.62,2812.48 2267.51,2797.93 2281.4,2783.37 2281.4,2769.44 2272.7,2760.74 v1(2272.7,2756.52)
  Bottom Layer w8: U6.8@1450.69,3523.5 1461.64,3541.03 1478.17,3567.11 cw(c1484.93,3562.83) 1483.36,3570.67 1502.31,3574.46 ; 1502.34,3574.47 cw(c1503.88,3566.62) 1507.46,3573.77 1562.87,3546.07 ; 1562.89,3546.05 cw(c1559.29,3538.91) 1566.2,3542.94 1580.5,3518.42 cw(c1573.59,3514.39) 1580.99,3511.34 1557.11,3424.58 1555.1,3388.52 1553.84,3366.01 1553.84,3349.53 cw(c1514.59,3349.53) 1542.34,3321.78 v1(1525,3285) 1595.86,3111.65 ccw(c1603.25,3114.69) 1597.42,3109.22 ; 1597.44,3109.2 1617.58,3087.91 cw(c1607.41,3078.29) 1618.49,3086.84 1708.27,2970.39 ccw(c1714.61,2975.28) 1709.96,2968.76 ; 1709.99,2968.74 1819.64,2891.25 ccw(c1824.25,2897.79) 1822.48,2889.99 1883.44,2876.44 ccw(c1885.18,2884.25) 1885.12,2876.25 ; 1885.15,2876.25 2007.59,2875.81 ccw(c2007.62,2883.81) 2011.33,2876.72 2171.33,2960.64 ccw(c2167.6,2967.71) 2171.55,2960.76 2207.25,2981.05 cw(c2228.98,2944.35) 2216.49,2985.13 2227.8,2988.6 cw(c2230.14,2980.95) 2230.44,2988.94 2279.84,2986.99 cw(c2279.28,2973) 2280.84,2986.92 2345.23,2979.7 2405.74,2959.31 ; v1(2272.7,2756.52) 2272.84,2757.67 2274.54,2759.37 2274.87,2759.7 2413.43,2869.4 2431.46,2895.4 2433.16,2931.17 2433.16,2933.33 2430.69,2938.05 ccw(c2391.92,2917.83) 2405.78,2959.3